# KiCad board Regulador.kicad_pcb (continued)
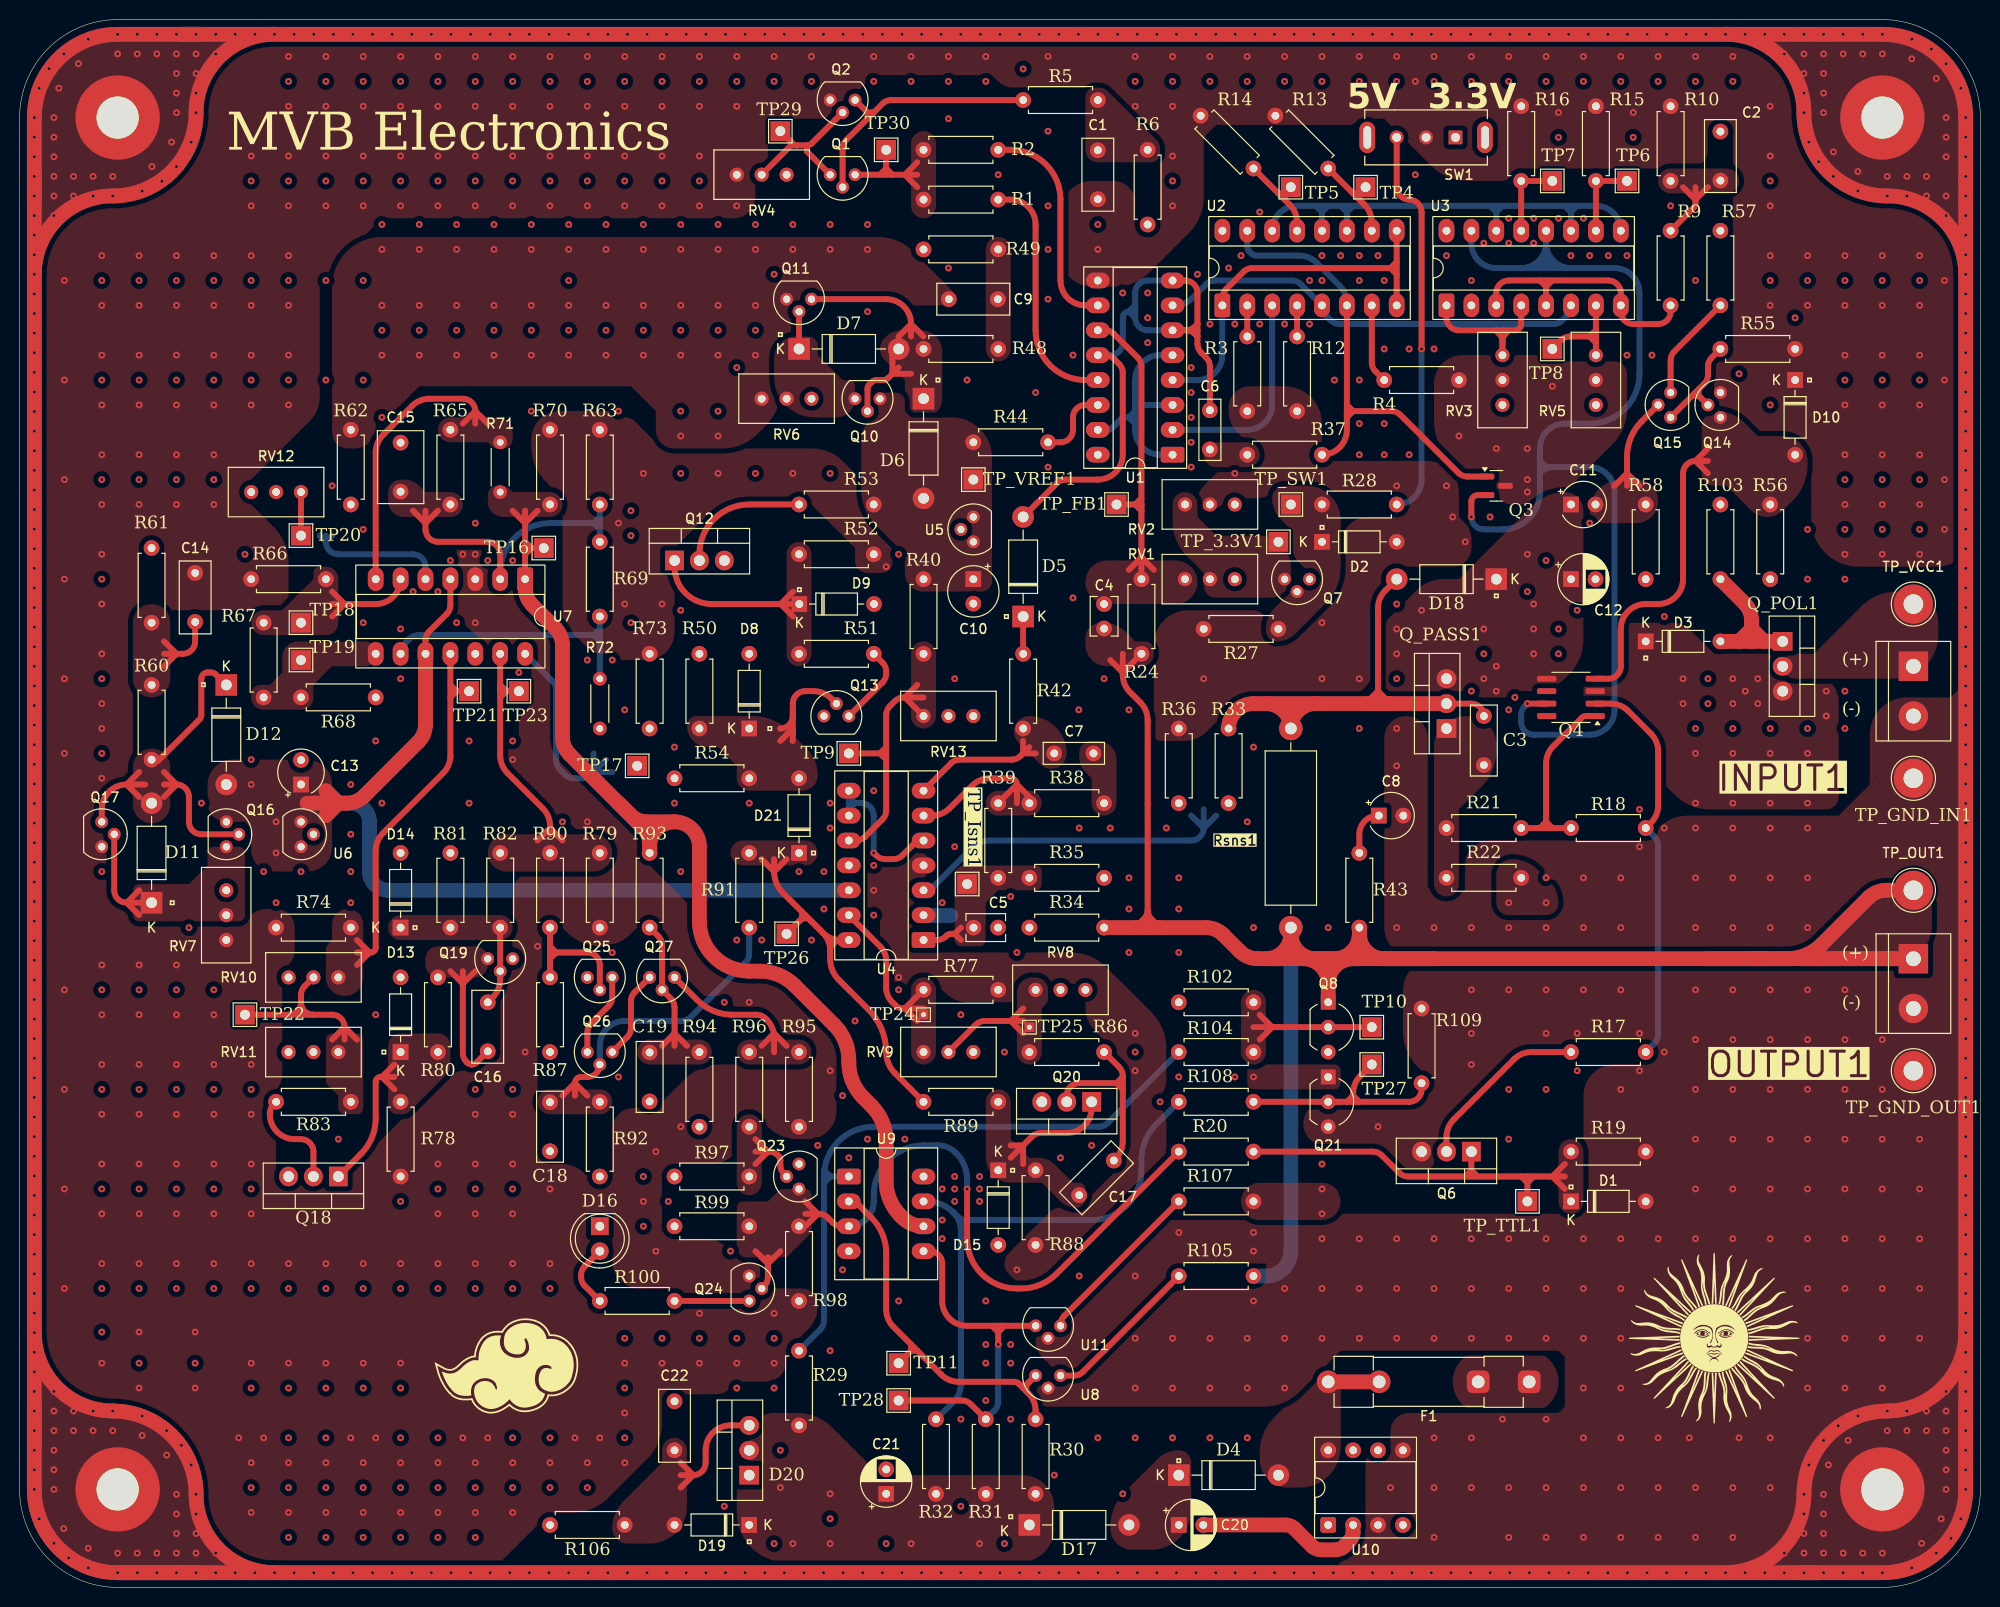
[diagram p0: board, top side]
## Routing (per net, layer and track width the routed paths; a pad name or vN(x,y) marks a point on that pad's centre or on a via; arc(x,y) is an arc through that point) (continued)
Net-(SW1-NO): length 40.4
  Top w0.6: v1(143,126.39) 143,140.36 arc(142.63,141.26) 141.73,141.63 arc(140.83,142) 140.46,142.9 SW1.3
  Bottom w0.6: v1(143,126.39) 143,113.05 arc(142.26,111.26) R28.2
Net-(U1A-B): length 27.3
  Bottom w0.6: 113.79,120.67 113.79,121.31 ; 113.79,120.67 114.43,120.67 ; 113.79,120.67 113.79,120.04 ; 113.79,121.31 114.43,120.67 ; 113.79,121.31 113.79,123.22 arc(114.53,125.01) 116.33,125.75 U1.5 ; 114.43,120.67 113.79,120.04 ; 114.43,120.67 U1.3 ; 113.79,120.04 113.16,119.41 ; 113.79,120.04 113.79,119.41 ; 113.16,119.41 113.79,119.41 ; 113.16,119.41 112.78,119.41 arc(112.54,119.36) 112.33,119.22 111.44,118.32 arc(111.23,118.18) 110.99,118.13 U1.15 ; 113.16,119.41 113.79,118.77 ; 113.79,119.41 113.79,118.77 ; 113.79,118.77 113.79,118.13 arc(114.53,116.34) 116.33,115.59 U1.1
Net-(U1A-E): length 21.8
  Bottom w0.6: U1.2 125.22,118.13 arc(127.02,118.88) 127.76,120.67 U2.3
Net-(U1B-E): length 40.3
  Top w0.6: 139.82,134.64 140.46,134.64 ; 139.82,134.64 125.75,134.64 arc(125.26,134.55) 124.85,134.27 123.05,132.48 arc(122.78,132.06) 122.68,131.58 ; 139.82,134.64 140.46,134.01 ; 139.82,134.64 140.46,135.28 ; U2.9 140.46,135.28 ; 140.46,135.28 140.46,134.01 ; 140.46,134.01 U2.8
  Bottom w0.6: U2.1 122.68,125.75 arc(121.94,123.96) 120.14,123.22 U1.4
Net-(U1C-E): length 43.3
  Bottom w0.6: 132.84,130.2 133.74,129.3 arc(134.15,129.03) 134.64,128.93 156.44,128.93 arc(156.93,129.03) 157.34,129.3 158.24,130.2 ; U2.5 130.67,133 arc(130.26,133.28) 129.77,133.38 121.94,133.38 arc(121.45,133.28) 121.04,133 119.61,131.58 arc(118.79,131.03) 117.82,130.83
Net-(U1D-E): length 22.8
  Top w0.6: U1.10 108.71,130.83 arc(106.91,131.58) 106.17,133.38 106.17,141.63 arc(104.68,145.22) 101.09,146.71 R2.2
Net-(U1E-B): length 7.8
  Top w0.6: R44.2 106.17,116.86 arc(107.07,117.24) 107.44,118.13 107.44,119.41 arc(107.81,120.3) 108.71,120.67 U1.14
Net-(U1E-E): length 25.3
  Top w0.6: R1.2 101.09,141.63 arc(102.89,140.89) 103.63,139.09 103.63,128.3 arc(105.12,124.7) 108.71,123.22 U1.13
Net-(U2A-E): length 3.2
  Top w0.6: R3.1 U2.2
Net-(U2B-E): length 3.2
  Top w0.6: R12.1 U2.4
Net-(U2C-E): length 8.1
  Top w0.6: U2.7 137.92,125.01 arc(138.02,124.53) 138.29,124.11 R4.1
Net-(U2D-B): length 56.4
  Bottom w0.6: 150.62,140.36 149.99,141 ; 150.62,140.36 U3.14 ; 150.62,140.36 151.25,141 151.89,141 ; 150.62,140.36 150.62,141 ; 149.99,141 150.62,141 ; 149.99,141 136.01,141 ; 132.84,140.36 132.84,141 ; 132.84,140.36 U2.12 ; 132.84,140.36 133.48,141 ; 132.84,140.36 132.21,141 ; 132.84,141 132.21,141 ; 132.84,141 133.48,141 ; 150.62,141 151.89,141 ; U3.11 158.24,140.36 ; 158.24,140.36 158.88,141 ; 158.24,140.36 157.61,141 ; 158.24,140.36 158.24,141 ; 151.89,141 157.61,141 ; 157.61,141 158.24,141 ; 158.24,141 158.88,141 ; 158.88,141 160.78,141 arc(162.58,140.25) U3.9 ; 135.38,140.36 135.38,141 ; 135.38,140.36 U2.11 ; 135.38,140.36 134.75,141 ; 135.38,140.36 136.01,141 ; 135.38,141 136.01,141 ; 135.38,141 134.75,141 ; 133.48,141 134.75,141 ; 132.21,141 130.3,141 arc(128.5,140.25) U2.14
Net-(U2D-E): length 9.4
  Top w0.6: 136.01,142.26 136.65,142.26 136.65,141.63 137.18,141.1 arc(137.73,140.28) 137.92,139.31 ; 136.01,142.26 R13.2 ; 136.01,142.26 137.29,141
Net-(U2E-E): length 10
  Top w0.6: 128.4,142.26 128.71,141.95 ; 128.4,142.26 R14.2 ; 128.4,142.26 129.03,142.26 129.03,141.63 ; 128.71,141.95 129.03,141.63 ; 128.71,141.95 TP5.1 ; 129.03,141.63 129.67,141 ; 129.56,141.1 arc(130.11,140.28) 130.3,139.31
Net-(U3A-B): length 18.9
  Top w0.6: 151.25,128.3 146.81,128.3 arc(145.91,128.67) 145.54,129.56 U3.1 ; 151.25,128.3 151.25,127.66 ; 151.25,128.3 152.53,128.3 arc(152.97,128.48) 153.16,128.93 U3.4 ; 151.25,125.7 151.25,127.08 arc(151.16,127.57) 150.88,127.98 150.62,128.24 ; 151.25,127.66 150.62,128.3 ; 151.88,128.3 151.62,128.03 arc(151.35,127.62) 151.25,127.13 RV3.1
Net-(U3A-C): length 28.8
  Top w0.6: 156.34,133.38 162.05,133.38 arc(162.95,133) 163.32,132.1 U3.8 163.32,130.2 arc(163.69,129.3) 164.59,128.93 167.13,128.93 arc(168.03,129.3) 168.4,130.2 R9.1 ; 156.34,133.38 155.7,133.38 ; 156.34,133.38 155.7,132.74 ; U3.5 155.7,132.74 ; 155.7,132.74 155.06,133.38 ; 155.7,132.74 155.7,133.38 ; 155.7,133.38 155.06,133.38 ; 155.06,133.38 151.89,133.38 arc(150.99,133) 150.62,132.1 U3.3
Net-(U3C-E): length 11.8
  Top w0.6: 160.78,127.02 160.78,127.66 ; 160.78,127.02 RV5.1 ; 160.78,127.02 160.15,127.66 ; 160.78,127.66 160.78,128.3 ; 160.78,127.66 160.15,127.66 ; 160.78,128.3 160.15,127.66 ; 160.78,128.3 U3.7 ; 160.15,127.66 158.13,127.66 arc(157.65,127.56) 157.23,127.29 TP8.1
Net-(U3D-E): length 8.3
  Top w0.6: TP6.1 R15.2 U3.10
Net-(U3E-E): length 8.3
  Top w0.6: TP7.1 R16.2 U3.13
Net-(U4A-+): length 36.8
  Bottom w0.6: 120.78,77.5 122.05,78.76 ; 120.78,77.5 119.5,78.76 ; 120.78,77.5 120.78,79.4 ; 120.78,77.5 120.78,78.13 ; 120.78,77.5 arc(120.4,76.6) 119.5,76.22 98.97,76.22 arc(98,76.03) 97.17,75.48 92.84,71.15
Net-(U4A--): length 4.7
  Bottom w0.6: U4.2 94.11,68.6
  Bottom w1.5: 92.24,68.56 95,68.56
Net-(U4B-+): length 17.4
  Top w0.6: 91.56,76.22 90.03,74.69 arc(89.62,74.42) 89.13,74.32 88.28,74.32 arc(87.8,74.42) 87.38,74.69 v1(87.12,74.95)
  Bottom w0.6: 84.58,80.03 84.58,80.67 ; 84.58,80.03 85.85,80.03 arc(86.75,79.66) 87.12,78.76 v1(87.12,74.95) ; 84.58,80.03 84.58,79.4 ; 84.58,80.03 85.22,80.03 ; 84.58,80.67 U4.8 ; 84.58,80.67 85.22,80.03 ; 85.22,80.03 84.58,79.4 ; 84.58,79.4 U4.9
Net-(U4B--): length 16.8
  Top w0.6: 101.73,80.03 101.73,81.94 ; 101.73,81.94 103,80.67 ; 101.73,81.94 R39.2 ; 101.73,81.94 arc(101.54,82.39) 101.09,82.57 98.97,82.57 arc(98,82.38) 97.17,81.83 94.85,79.51 arc(94.02,78.96) 93.05,78.76
Net-(U4C-+): length 29.1
  Top w0.6: 90.3,90.83 91.56,92.1 ; 90.3,90.83 90.19,90.83 arc(89.7,90.73) 89.29,90.46 88.76,89.93 arc(88.49,89.52) 88.39,89.03 88.39,85.75 ; 90.3,90.83 92.2,90.83 ; 90.3,90.83 RV13.1 ; TP9.1 87.75,85.12 ; 87.75,85.12 88.39,85.12 ; 87.75,85.12 88.39,85.75 ; 87.75,85.12 88.39,84.48 ; 88.39,85.12 88.39,85.75 ; 88.39,85.12 88.39,84.48 ; 88.39,84.48 88.39,79.29 arc(88.29,78.81) 88.02,78.39 86.22,76.6 arc(85.81,76.32) 85.32,76.22
Net-(U4D--): length 17.5
  Top w0.6: U4.13 87.8,65.38 arc(88.24,64.73) 88.39,63.97 88.39,61.18 arc(88.54,60.41) 88.98,59.76 89.37,59.37 arc(89.69,59.16) 90.07,59.08 90.3,59.08 ; 90.3,59.08 91.56,60.35 ; 90.3,59.08 92.2,59.08 ; 90.3,59.08 91.56,57.81
Net-(U7A-+): length 19.8
  Top w0.6: TP20.1 RV12.1
  Bottom w0.6: 31.24,106.7 31.88,107.34 ; 31.24,106.7 31.24,107.34 ; 31.24,106.7 30.61,107.34 ; 31.24,106.7 arc(31.61,105.81) 32.51,105.44 40.13,105.44 arc(41.03,105.06) 41.4,104.16 U7.5
Net-(U7B-+): length 31.3
  Top w0.6: 46.48,120.04 45.21,118.77 ; 46.48,120.04 46.48,118.77 ; 46.48,120.04 47.75,118.77 ; 46.48,120.04 arc(46.11,120.94) 45.21,121.31 41.82,121.31 arc(40.85,121.12) 40.02,120.57 37.06,117.61 arc(36.51,116.78) 36.32,115.81 U7.7
Net-(U7B--): length 12
  Top w0.6: 33.15,100.35 31.88,100.35 ; 33.15,100.35 31.88,99.09 ; 33.15,100.35 31.88,101.62 ; 33.15,100.35 36.32,100.35 arc(38.12,101.1) U7.6
Net-(U7C-+): length 41.8
  Top w0.6: 35.69,64.79 34.42,63.53 ; 35.69,64.79 34.42,64.79 ; 35.69,64.79 35.82,64.79 arc(36.17,64.94) 36.32,65.29 36.32,75.17 arc(36.51,76.14) 37.06,76.97 43.2,83.1 arc(43.75,83.93) 43.94,84.9 U7.11 ; 35.69,64.79 34.42,66.06 ; 44.57,91.47 43.94,92.1 ; 44.57,91.47 43.94,90.83 ; 44.57,91.47 TP21.1
Net-(U7D-+): length 29.6
  Bottom w0.6: 59.18,97.18 58.55,97.18 ; 59.18,97.18 R72.2 ; 59.18,97.18 59.18,97.81 ; 59.18,97.18 59.18,96.54 58.55,97.18 ; 58.55,97.18 59.18,97.81 ; 58.55,97.18 40.66,97.18 arc(40.17,97.08) 39.76,96.81 38.86,95.91 ; 59.18,97.81 R69.1
Net-(U8-K): length 41
  Top w0.6: 102.68,20.66 102.04,20.66 ; 102.68,20.66 103,20.98 ; 102.68,20.66 102.68,20.03 ; 102.04,20.66 102.36,20.34 ; 102.04,20.66 101.91,20.79 arc(101.7,20.93) 101.46,20.98 95.79,20.98 arc(94.82,21.17) 94,21.72 91.56,24.16 ; 103,20.98 102.36,20.34 ; 103,20.98 U8.3 ; 102.36,20.34 102.68,20.03 ; 90.93,24.16 91.56,24.16 ; 90.93,24.16 90.93,24.79 ; 90.93,24.16 TP11.1 ; 90.93,24.16 91.25,24.47 ; 91.56,24.16 91.25,24.47 ; U9.2 85.22,39.4 86.9,37.71 arc(88,36.06) 88.39,34.12 88.39,28.38 arc(88.58,27.41) 89.13,26.59 90.93,24.79 ; 102.68,20.03 102.89,19.82 arc(103.44,18.99) 103.63,18.02 R30.2 ; 90.93,24.79 91.25,24.47
Net-(U8-REF): length 16.2
  Top w0.6: R105.2 108.45,21.99 arc(108.03,21.71) 107.55,21.62 U8.1
Net-(U10-CAP+): length 17.9
  Top w1.5: 136.01,6.38 136.01,5.63 arc(135.92,5.15) 135.64,4.73 135.12,4.21 arc(134.7,3.93) 134.22,3.84 132.73,3.84 arc(132.25,3.93) 131.83,4.21 130.04,6 arc(129.62,6.28) 129.14,6.38 C20.2
Net-(U11-K): length 38.8
  Top w0.6: 100.46,26.69 99.82,26.69 99.82,26.06 ; 100.46,26.69 99.82,26.06 ; 100.46,26.69 96.65,26.69 arc(94.85,27.44) 94.11,29.23 94.11,33.04 arc(93.73,33.94) 92.84,34.31 ; 100.46,26.69 U11.3 ; TP28.1 96.12,19.07 arc(96.6,18.98) 97.02,18.7 R31.2 ; 99.82,26.06 v1(99.82,24.79) ; 99.82,26.06 99.19,26.69
  Bottom w0.6: R31.2 99.45,18.07 arc(99.72,18.48) 99.82,18.97 v1(99.82,24.79)
Net-(U11-REF): length 17.5
  Top w0.6: R107.2 106.54,27.7 arc(106.27,27.29) 106.17,26.8

## Copper pours and planes (outline as drawn; the poured copper is in the pictures)
/3.3V on Top: 117.6,106.7 117.6,111.78 120.14,111.78 120.14,109.25 122.05,107.34 127.76,107.34 129.67,105.44 129.67,102.26 128.4,100.99 120.78,100.99 120.78,103.53
GND on Top: 182,159 177.29,158.77 182,154.33 182,148 184,144.5 188,142 193.8,142 198.25,136.55 199,142 199,150.88 198,153 195,157 190.88,159
GND on Top: 132.84,114.96 144.91,114.96 146.81,113.05 146.81,109.25 148.08,107.97 148.08,104.16 141.1,104.16 141.1,103.53 138.56,100.99 138.56,90.19 123.95,90.19 120.14,86.38 115.69,86.38 115.69,99.72 127.12,99.72 127.12,97.18 127.76,96.54 129.35,96.54 134.75,101.94 134.75,109.25 140.46,109.25 140.46,111.78 133.48,111.78 132.84,112.42 128.4,112.42 127.12,111.15 123.31,111.15 122.05,109.88 120.14,109.88 120.14,111.78 122.68,114.33 123.95,114.33 125.22,115.59 125.22,116.86 123.31,118.77 123.31,121.31 124.59,122.58 132.84,122.58
GND on Top: 18,1 23.62,1.93 18.54,5.74 18,12 16,15.5 12,18 5.84,18.44 1.4,23.52 1,18 1,9.12 2,7 5,3 9.12,1
GND on Top: 196.34,90.83 188.72,90.83 188.72,80.03 196.34,80.03
GND on Top: 139.19,90.19 139.19,88.92 136.65,88.92 138.56,90.19
GND on Top: 156.34,110.51 150.62,110.51 150.62,113.69 147.44,113.69 144.27,116.86 144.27,125.75 160.78,125.75 160.78,127.66 155.06,127.66 155.06,125.12 163.96,125.12 163.96,118.13
GND on Top: 194.44,80.03 196.98,80.03 198.88,78.13 198.88,92.73 196.98,90.83 194.44,90.83
GND on Top: 199,18 198.88,23.52 193.8,18 188,18 184.5,16 182,12 182,6.38 179.83,4.47 176.66,1.29 182,1 190.88,1 193,2 197,5 199,9.12
GND on Top: 1,142 2.03,137.19 5.84,141.63 12,142 15.5,144 18,148 18,154.33 22.99,158.14 18,159 9.12,159 7,158 3,155 1,150.88
GND on Top: 191.26,44.47 196.98,44.47 198.25,43.2 198.25,63.53 196.98,62.25 191.26,62.25
GND on Top: 143.63,71.46 144.59,70.51 146.73,70.51 147.44,71.22 147.44,76.22 165.86,76.22 168.4,78.76 185.55,78.76 189.99,83.21 198.25,83.21 198.25,8.91 191.26,1.93 137.92,1.93 137.92,1.29 133.48,1.29 135.38,3.2 135.38,4.47 137.29,6.38 137.29,14 139.82,14 139.82,17.81 156.97,17.81 157.61,18.44 157.61,23.52 156.97,24.16 134.75,24.16 129.03,18.44 103.63,18.44 103.63,20.98 106.17,20.98 106.17,21.62 103.63,24.16 103.63,26.06 105.54,26.06 105.54,26.69 116.65,37.81 116.97,37.49 133.48,37.49 133.48,38.12 158.24,38.12 158.24,38.76 159.51,38.76 159.51,53.37 165.86,53.37 165.86,55.91 158.24,55.91 158.24,54.59 153.16,54.63 148.08,49.56 148.08,47.01 145.54,44.48 144.27,44.47 144.27,42.57 141.14,42.57 138.56,45.11 130.94,45.11 130.94,49.56 143,49.56 143,51.46 144.27,51.46 141.1,54.63 141.1,62.25 143,64.16 141.1,64.16 139.19,66.06 139.19,88.92 143.63,88.92 ; 2 cut-outs
GND on Bottom: 1,142 2.03,137.82 4.57,140.36 8.38,142 12,142 15.5,144 18,148 18,151.79 20.44,156.24 22.99,158.77 18,159 9.12,159 7,158 3,155 1,150.88
GND on Bottom: 182,159 177.93,158.14 181.41,153.69 182,151.79 182,148 184,144.5 188,142 193.17,142 198.25,137.19 199,142 199,150.88 198,153 195,157 190.88,159
GND on Bottom: 18,1 22.35,1.29 18,7.01 18,12 16,15.5 12,18 5.84,18 2.03,22.25 1,18 1,9.12 2,7 5,3 9.12,1
GND on Bottom: 165.23,121.94 164.59,121.31 161.42,121.31 161.42,120.04 162.05,119.41 163.96,119.41 164.59,120.04 164.59,116.86 160.78,113.08 158.23,113.08 158.23,108.62 156.34,110.51 146.18,110.51 143,113.69 143,111.78 106.81,111.78 106.81,116.23 115.06,116.23 115.81,115.59 117.6,115.59 118.87,114.96 124.59,114.96 124.59,115.59 126.49,115.59 126.49,117.5 127.76,118.77 127.76,130.83 128.4,131.47 128.4,129.56 129.67,129.56 129.67,128.93 130.94,128.93 130.94,129.56 134.11,129.56 134.11,131.47 165.23,131.47 ; 2 cut-outs
GND on Bottom: 199,18 198.88,22.88 195.07,19.71 191.26,18 188,18 184.5,16 182,12 182,8.91 180.47,4.47 177.29,1.29 182,1 190.88,1 193,2 197,5 199,9.12
GND on In1.Cu: -14.47,174.31 224.29,174.31 224.29,-31.72 -14.47,-31.72
GND on In2.Cu: -14.47,173.68 224.29,173.68 224.29,-32.36 -14.47,-32.36
VCC on Top: 179.83,95.28 183,95.28 189.36,101.62 195.71,101.62 195.71,92.73 179.83,92.73
VEE on Top: 193.17,81.94 193.17,80.03 191.26,81.94
VEE on Top: 155.05,84.46 155.05,84.46 156.97,86.38
VEE on Top: 156.97,24.16 156.97,17.81 146.18,17.81 146.18,24.16
VEE on Top: 212.22,163.85 212.22,-12.68 210.94,-13.94 -13.84,-13.94 -13.84,167.66 208.41,167.66 ; 75 cut-outs
VEE on Top: 172.21,124.48 172.21,125.75 173.48,126.39 173.48,126.39
VEE on Top: 139.19,148.62 140.46,148.62 139.19,147.34
VEE on Top: 188.09,79.4 188.09,72.41 186.81,72.41 186.81,79.4
VEE on Bottom: 85.22,75.35 85.22,68.6 84.58,68.6 84.58,75.59 85.45,75.59
VEE on Bottom: 211.58,-8.23 -8.13,-8.23 -9.4,-6.96 -9.4,168.3 211.58,168.3 ; 46 cut-outs
1 on Top: 60.45,76.86 47.75,76.86 47.75,73.05 60.45,73.05
2 on Top: 72.51,73.69 72.51,76.22 81.41,76.22 81.41,73.69
FB on Top: 120.14,104.8 108.71,104.8 108.71,100.35 120.14,100.35
LDO2 on Top: 55.37,111.78 50.29,111.78 49.66,112.42 47.75,112.42 47.75,109.25 55.37,109.25
OUT on Top: 179.83,64.79 183.64,64.79 190.62,71.78 195.07,71.78 195.07,63.53 179.83,63.53
OUT on Top: 108.71,98.45 111.88,98.45 113.79,96.54 115.69,96.54 115.69,94 108.71,94
REF2 on Top: 19.18,78.13 19.18,84.48 31.88,84.48 31.88,73.05 23.62,73.05 23.62,77.5 22.99,78.13
REF2 on Bottom: 27.43,82.57 31.88,82.57 31.88,73.05 23.62,73.05 23.62,76.86 19.18,76.86 19.18,84.48 25.53,84.48
TL1 on Bottom: 66.8,89.56 66.8,85.75 68.71,83.84 68.71,81.7 67.67,80.67 62.04,80.67 57.28,85.43 57.28,88.37 58.47,89.56 61.72,89.56 61.72,88.92 62.36,89.56
TTL on Top: 80.77,40.66 77.6,40.66 76.32,39.4 73.15,39.4 73.15,34.31 73.79,33.68 78.23,33.68 80.77,36.22
VCTRL on Top: 134.75,41.3 134.74,37.49 124.59,37.49 124.59,41.3
VCTRL on Top: 159.51,94.64 156.34,91.47 152.53,91.47 151.89,90.83 148.7,90.83 148.7,90.19 138.56,90.19 138.56,97.81 143.63,102.9 146.81,102.9 155.7,111.78 159.51,111.78 ; 1 cut-out
VCTRL on Top: 125.22,53.37 125.22,50.82 134.75,50.82 134.75,53.37
VCTRL on Top: 31.88,137.82 89.66,137.82 95.38,132.1 95.38,130.83 90.3,130.83 90.3,128.93 86.49,128.93 86.49,124.48 77.6,124.48 77.6,120.04 73.79,116.23 64.9,116.23 64.9,120.04 62.36,122.58 40.76,122.58 38.23,120.04 36.96,120.04 36.32,119.41 36.32,117.5 35.05,116.23 31.88,116.23
VCTRL on Top: 153.8,74.32 156.97,71.15 156.97,68.6 150.62,68.6 150.62,74.32
VCTRL on Bottom: 92.2,135.28 93.47,135.28 94.74,134.01 96.01,135.28 99.82,135.28 100.46,135.91 106.81,135.91 106.81,114.96 111.25,110.51 130.3,110.51 130.3,109.25 140.46,109.25 140.46,110.51 141.73,110.51 140.46,109.25 144.27,109.25 147.44,106.07 148.72,107.34 149.35,107.34 149.99,107.97 149.35,108.61 148.08,108.61 148.08,109.25 153.8,109.25 153.8,113.05 158.23,113.08 159.5,111.82 159.51,94.64 153.16,88.29 153.17,78.15 157.61,73.68 157.61,60.35 134.75,37.49 123.31,37.49 123.31,50.82 124.59,52.09 123.31,53.37 123.31,75.59 125.22,77.5 125.22,78.13 124.59,78.13 125.22,78.76 125.22,81.31 124.59,81.94 122.05,81.94 119.5,84.48 119.5,87.66 118.24,88.92 115.06,88.92 97.92,106.07 97.92,109.25 97.28,109.25 97.28,106.72 95.39,108.61 96.65,108.61 96.65,109.88 95.38,109.88 93.47,111.78 88.99,116.27 64.9,116.23 64.9,120.04 62.36,122.58 40.76,122.58 38.23,120.04 36.96,120.04 36.32,119.41 36.32,117.5 35.05,116.23 31.88,116.23 31.88,137.82 89.66,137.82 ; 7 cut-outs
VDOBL on Top: 73.15,2.56 105.54,2.56 105.54,9.55 103.63,11.45 87.75,11.45 81.41,17.81 74.42,17.81 74.42,12.72 73.15,12.72
VDOBL on Bottom: 95.38,41.3 92.84,41.3 92.84,39.4 91.56,38.12 91.56,33.68 97.28,27.97 97.28,17.17 93.47,17.17 93.47,15.9 101.09,15.9 105.54,11.45 105.54,2.56 71.88,2.56 71.88,15.26 73.79,15.26 82.68,24.16 82.68,26.69 82.04,26.69 81.41,26.06 81.41,36.85 89.66,45.11 95.38,45.11 ; 1 cut-out
VREF on Top: 87.12,121.94 90.3,121.94 90.3,120.04 90.97,119.41 99.19,119.41 99.19,102.26 98.55,101.62 90.3,101.62 90.3,105.44 85.85,109.88 85.85,118.13 87.12,119.41
Net-(C1-Pad2) on Top: 108.71,145.44 108.71,153.06 110.62,153.06 116.33,147.34 116.33,145.44
Net-(C2-Pad2) on Top: 167.13,142.26 167.13,144.81 175.38,144.81 175.38,142.26
Net-(C5-Pad2) on Top: 104.26,73.69 104.26,71.15 99.82,71.15 98.55,69.88 98.55,65.43 95.38,65.43 95.38,73.05 96.02,73.69
Net-(C6-Pad1) on Top: 120.78,116.86 120.78,114.33 126.49,114.33 126.49,116.86
Net-(C7-Pad1) on Top: 99.19,88.92 106.81,88.92 106.81,81.31
Net-(C7-Pad2) on Top: 108.07,86.38 108.07,83.84 109.35,82.57 109.35,78.76 111.88,78.76 111.88,86.38
Net-(C9-Pad2) on Top: 98.55,125.12 101.09,125.12 101.09,137.82 98.55,137.82
Net-(C14-Pad2) on Top: 11.56,90.83 15.37,90.83 15.37,100.35 11.56,100.35
Net-(C15-Pad1) on Top: 40.13,113.05 37.59,113.05 37.59,110.2 38.54,109.25 45.21,109.25 45.21,111.78 41.4,111.78
Net-(D1-K) on Top: 159.51,45.75 159.51,38.12 156.97,38.12 156.97,45.75
Net-(D2-K) on Top: 127.12,99.09 127.12,96.54 129.35,96.54 134.75,101.94 134.75,112.42 127.76,112.42 127.76,109.88 129.67,107.97 129.67,105.44 132.21,102.9 132.21,102.26 130.3,102.26
Net-(D4-A) on Top: 126.49,10.19 134.75,10.19 134.75,21.62 132.21,21.62 126.49,15.9
Net-(D6-K) on Top: 94.11,119.41 94.11,127.02 92.84,128.3 89.03,128.3 87.75,127.02 87.75,125.75 90.3,123.22 90.3,119.41
Net-(D7-K) on Top: 76.96,119.41 76.96,127.66 81.41,127.66 81.41,125.75 83.94,123.22 85.22,123.22 85.22,119.41
Net-(D9-K) on Top: 78.23,106.7 78.23,94 80.77,94 80.77,106.7
Net-(D10-A) on Top: 171.57,120.04 171.57,112.42 174.12,112.42 177.29,109.25 179.19,109.25 182.37,112.42 182.37,117.5 177.29,117.5 174.75,120.04
Net-(D11-A) on Top: 15.37,77.99 15.37,85.61 11.56,85.61 11.56,77.99
Net-(D11-K) on Top: 11.56,67.97 11.56,71.78 17.27,71.78 19.18,73.69 19.17,75.59 22.99,75.59 22.99,67.97
Net-(D13-K) on Top: 43.94,56.54 37.59,56.54 37.59,48.28 39.5,48.28 43.94,52.73
Net-(D14-K) on Top: 37.59,66.06 37.59,68.6 50.29,68.6 50.29,66.06
Net-(D15-K) on Top: 103,43.84 101.09,45.75 101.09,50.82 98.55,50.82 98.55,41.3 104.26,41.3 106.81,38.76 108.71,38.76 108.71,41.3 107.44,41.3 104.9,43.84
Net-(D17-A) on Top: 111.25,3.84 119.5,3.84 119.5,14 116.97,14 111.25,8.28
Net-(D19-A) on Top: 65.53,15.26 68.07,15.26 68.07,4.47 60.45,4.47 60.45,7.65 65.53,12.72
Net-(D21-A) on Top: 68.07,88.92 68.07,87.02 69.34,85.75 71.25,85.75 73.15,83.84 73.15,81.31 81.41,81.31 81.41,84.48 76.96,88.92
Net-(Q1-C) on Top: 93.47,148.62 93.47,139.72 90.93,139.72 90.93,148.62
Net-(Q8-G) on Top: 127.12,60.98 124.59,60.98 124.59,53.37 127.12,53.37
Net-(Q15-B) on Top: 160.15,108.61 160.15,111.15 162.05,113.05 167.13,113.05 167.13,108.61
Net-(Q19-D) on Top: 47.75,65.43 41.4,65.43 41.4,62.25 47.75,62.25
Net-(Q23-B) on Top: 75.69,48.28 73.15,48.28 73.15,40.03 75.69,40.03
Net-(Q26-B) on Top: 52.83,48.28 52.83,50.82 60.45,50.82 60.45,48.28
Net-(Q27-B) on Top: 62.99,53.37 62.99,55.91 70.61,55.91 70.61,53.37
Net-(Q27-C) on Top: 73.15,55.91 73.15,53.37 80.77,53.37 80.77,55.91
Net-(Q_PASS1-B) on Top: 146.81,70.51 146.81,79.4 150.62,83.21 150.62,88.92 144.27,88.92 144.27,70.51
Net-(R83-Pad1) on Top: 31.24,56.54 31.24,51.46 32.51,50.19 32.51,48.28 35.05,48.28 35.05,56.54
Net-(R86-Pad1) on Top: 101.73,62.25 101.73,53.37 104.26,53.37 104.26,59.08 104.9,59.72 104.9,62.25
Net-(U4A-+) on Bottom: 116.33,81.94 125.22,81.94 125.22,78.13 116.33,78.13
Net-(U4A--) on Bottom: 95.38,69.88 94.11,68.6 92.2,68.6 92.21,67.81 97.31,67.81 98.55,66.7 98.55,65.43 106.81,65.43 112.52,71.15 112.52,74.32 108.71,74.32 108.7,71.14 107.41,69.88
Net-(U4B--) on Top: 104.26,81.31 98.55,81.31 98.55,78.76 104.26,78.76
Net-(U4C-+) on Top: 90.93,96.54 90.93,87.66 93.47,87.66 93.47,96.54
Net-(U4D--) on Top: 93.47,62.25 90.93,62.25 90.93,53.37 93.47,53.37
Net-(U7A-+) on Bottom: 35.69,113.05 26.8,113.05 26.8,106.7 35.69,106.7
Net-(U7B-+) on Top: 50.29,119.41 42.67,119.41 42.67,116.86 47.75,116.86 48.38,116.23 50.29,116.23
Net-(U7B--) on Top: 29.97,104.16 32.51,104.16 32.51,97.18 23.62,97.18 23.62,99.72 26.8,99.72 29.97,102.9
Net-(U7C-+) on Top: 31.24,60.35 31.24,65.43 31.88,66.06 31.88,69.24 35.05,69.24 35.05,60.35
Net-(U7D--) on Top: 23.62,89.56 29.97,89.56 29.97,92.1 31.88,94 35.69,94 36.32,94.64 36.32,95.91 35.69,96.54 26.8,96.54 26.8,93.37 25.53,92.1 23.62,92.1

Small or netless copper shapes (teardrops, artwork), in the pictures only: 10 on Top, 9 on Bottom

## Text on the board
B.Silkscreen: Project: Linear Voltage Regulator | Author: Marcos Verdejo Bosch | Model: DV-83 | Rev: A | Date: 2025-09
F.Silkscreen: (+) | (-) | 5V | 3.3V | MVB Electronics
